# Altium PCB Yukitora.PcbDoc (part 2 of 3) (continued)
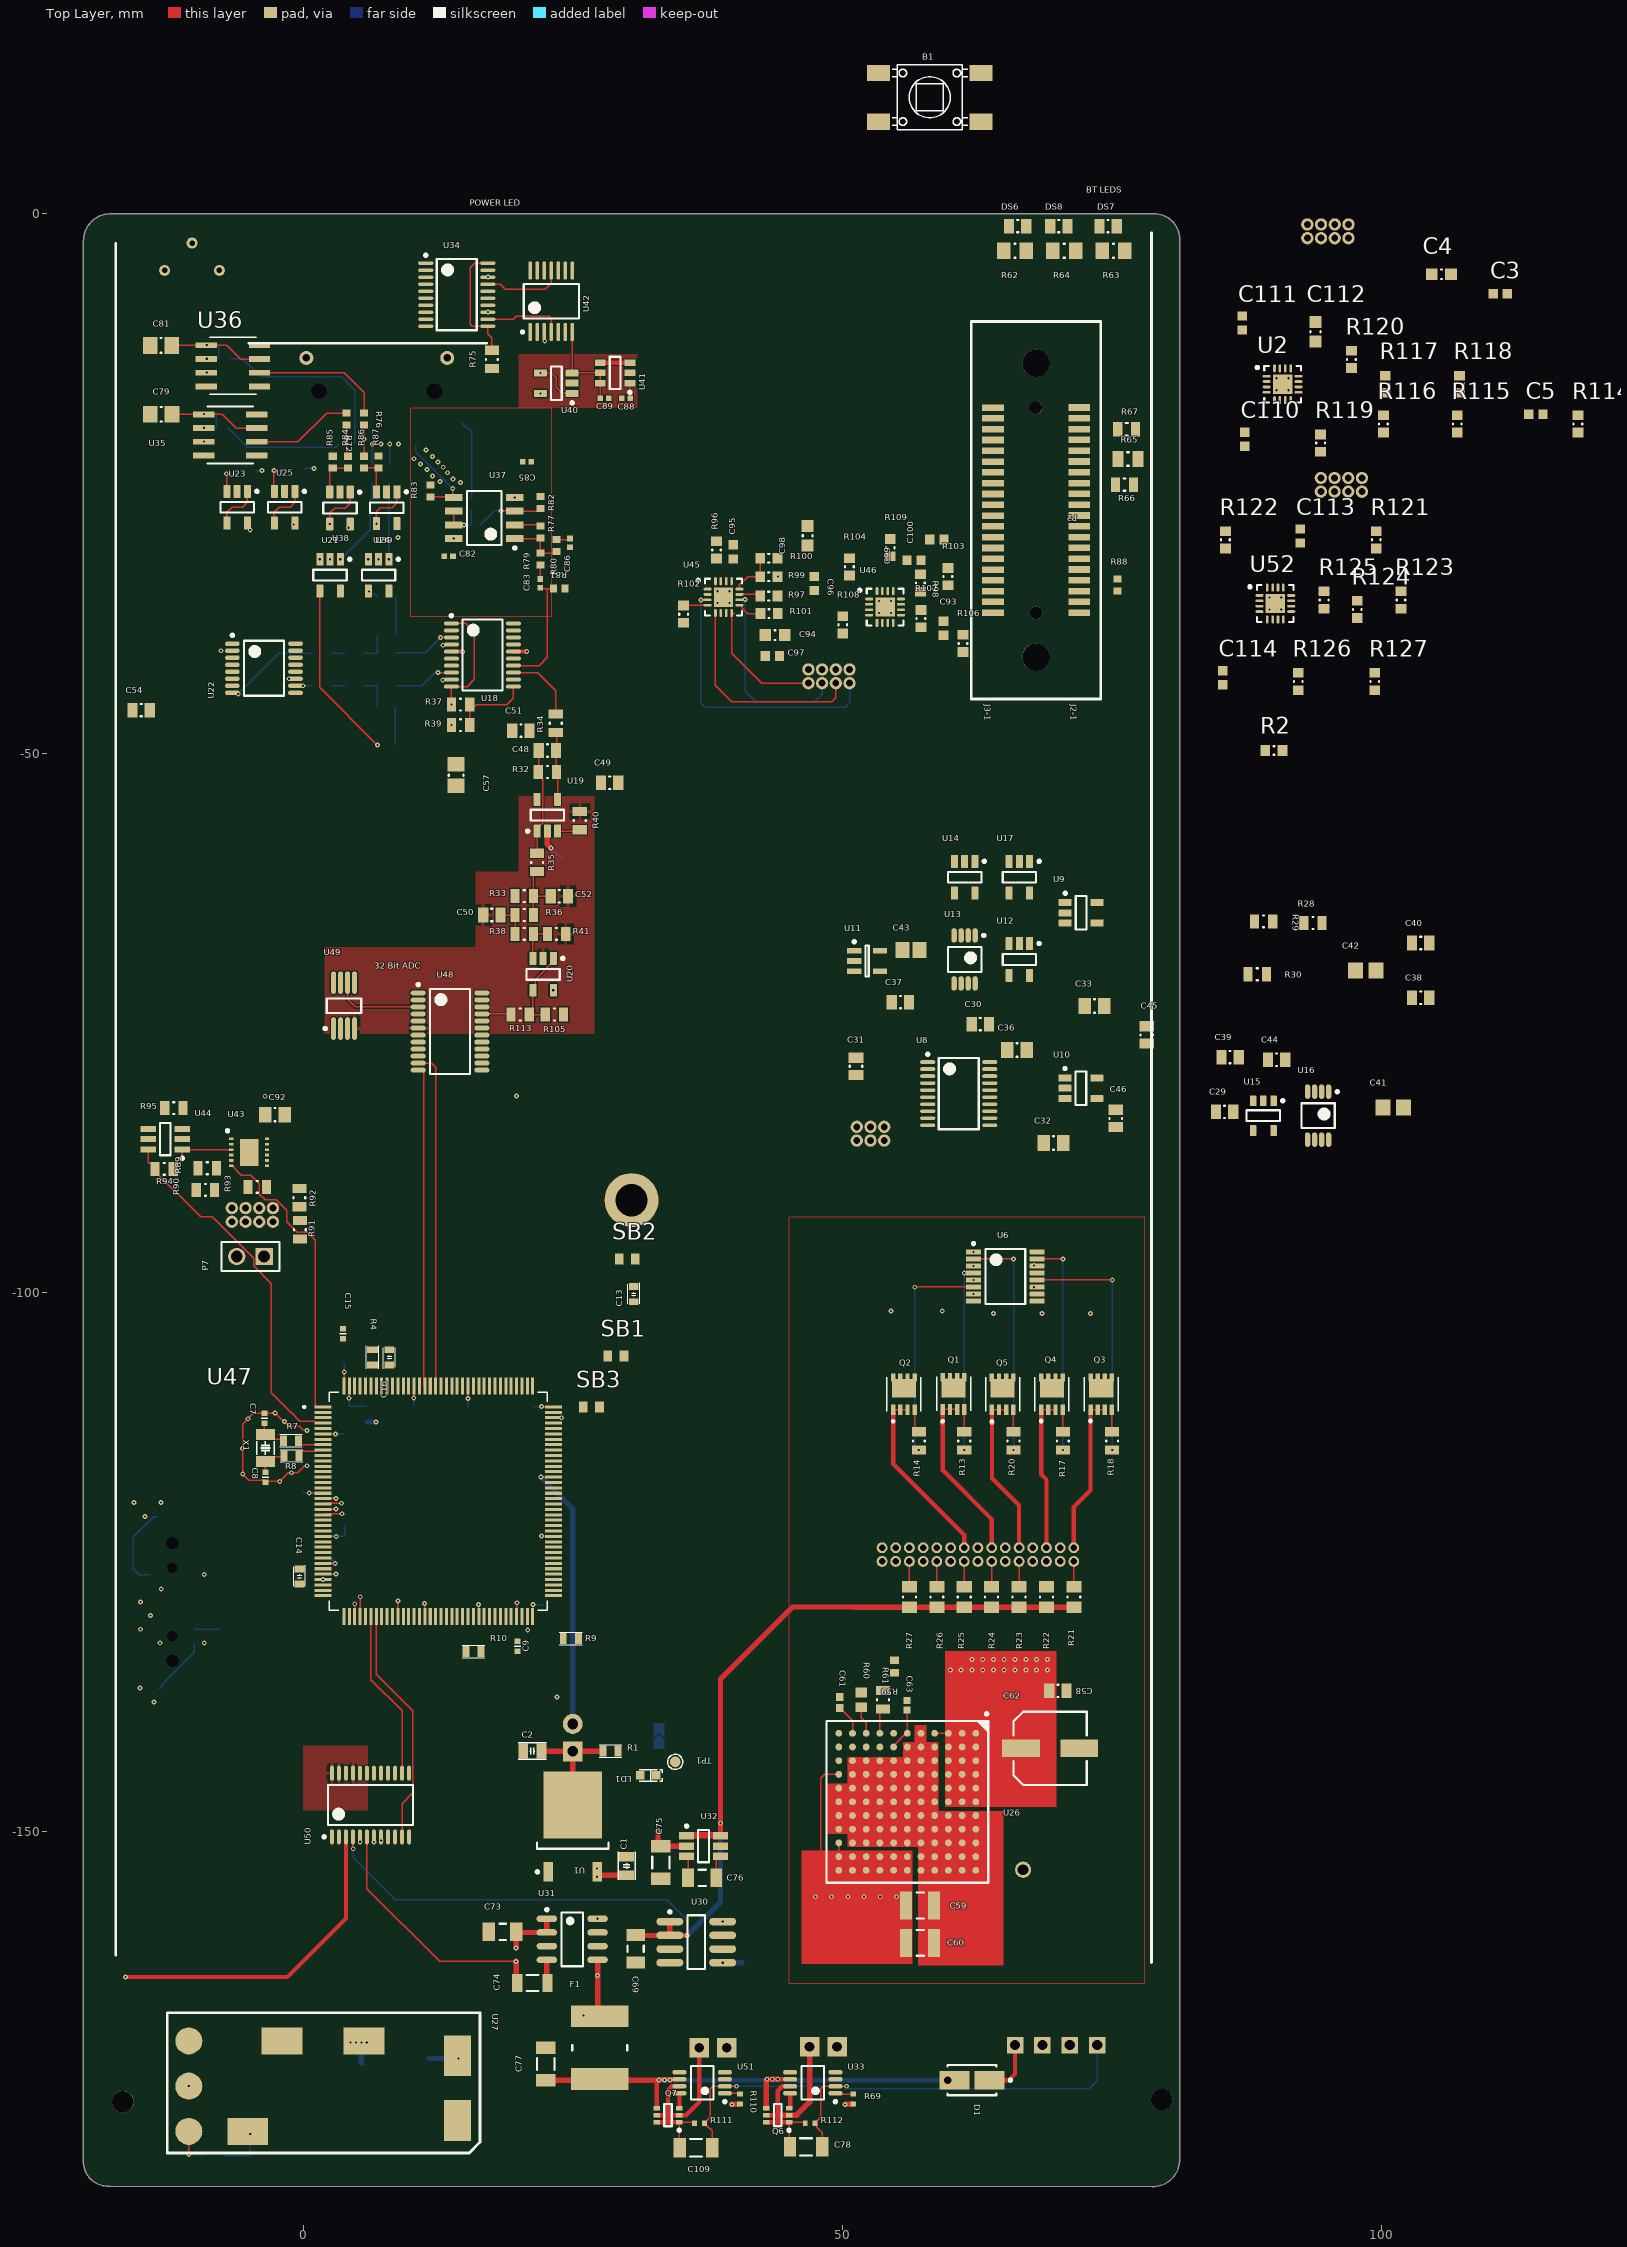
[diagram p0: Top Layer view]
## Part data (continued)
SB5: library part MCD-00071, "Solder Bridge ON", Manufacturer=YAGEO, Manufacturer_Part_Number=RC0603JR-070RL, Package=SB0603, ComponentLink1Description=Datasheet, ComponentLink1URL=http://tunmcdsvn.tun.st.com/Component_Datasheet_Library/Trunk/Resistors/Yageo_Resistor_RC0603-series, ECCN_EU=n/a, ECCN_US=n/a, Internal_Part_Number=MCD-00071, Part_Type=Mechanical, Provided_By=SUBCO, Status=Released
TP1: library part MCD-00074, "Test Point 1mm", Manufacturer=n/a, ComponentLink1Description=Datasheet, ComponentLink1URL=http://na, ECCN_EU=n/a, ECCN_US=n/a, Internal_Part_Number=MCD-00074, Manufacturer_Part_Number=n/a, Part_Type=Mechanical, Provided_By=n/a, Status=Released
TP2: library part CMP-1672-00009-1, "Test Point, Orange, 1-Pin THD, RoHS", Forward Current="3 A", Forward Voltage="1.08 V", Max Operating Temperature="150 degC", Max Surge Current="80 A", Min Operating Temperature="-65 degC", Package Quantity=500, Peak Reverse Current="600 uA", ComponentLink1Description="Manufacturer URL", ComponentLink1URL=http://www.keyelco.com/, ComponentLink2Description=Datasheet, ComponentLink2URL=http://keyelco.com/userAssets/file/M65p56.pdf, DatasheetVersion=Jun-15, Diameter="5.3 mm", Height="0.25 inch", Length="9.5 mm", Mount="Through Hole", PackageDescription="1-Pin Through Hole Device, Dia 2.54 mm", PackageReference=5003, Packaging=Bulk, Pins=2, Radiation Hardening=No, REACH SVHC="No SVHC", RoHSCompliant=true, Weight="0.01 lb", Width="0.25 inch"
U1: library part CMP-0244-00125-1, "1.5A, Low Drop Positive Voltage Regulator, 3.3V, 3-Pin DPAK, Tape and Reel", Case/Package=DPAK, Dropout Voltage=1.3V, Input Bias Current=5mA, Manufacturer=STMicroelectronics, Max Input Voltage=30V, Max Operating Temperature=125°C, Max Output Current=1.5A, Min Input Voltage=6.3V, Min Operating Temperature=-40°C, Min Output Voltage=3.3V, Output Voltage Accuracy=1%, Package Quantity=1, Quiescent Current=10mA, Supplier Part Number 1=511-LD1086DT33-TR, Accuracy=1%, ComponentLink1Description="Manufacturer URL", ComponentLink1URL=http://www.st.com, ComponentLink2Description=Datasheet, ComponentLink2URL=http://www.st.com/internet/com/TECHNICAL_RESOURCES/TECHNICAL_LITERATURE/DATASHEET/CD00001884.pdf, ComponentLink3Description=https://datasheet.ciiva.com/16593/cd00001884-16593328.pdf?src-supplier=Avnet+Europe, ComponentLink3URL=https://datasheet.ciiva.com/16593/cd00001884-16593328.pdf?src-supplier=Avnet+Europe, ComponentLink4Description=https://datasheet.ciiva.com/2043/cd00001884-2043961.pdf?src-supplier=Digi-Key, ComponentLink4URL=https://datasheet.ciiva.com/2043/cd00001884-2043961.pdf?src-supplier=Digi-Key, ComponentLink5Description=https://datasheet.ciiva.com/3225/cd00001884-3225081.pdf?src-supplier=Avnet, ComponentLink5URL=https://datasheet.ciiva.com/3225/cd00001884-3225081.pdf?src-supplier=Avnet, ComponentLink6Description=https://datasheet.ciiva.com/1511/1880971-1511549.pdf?src-supplier=Element14, ComponentLink6URL=https://datasheet.ciiva.com/1511/1880971-1511549.pdf?src-supplier=Element14, ComponentLink7Description=https://datasheet.ciiva.com/1511/1880971-1511550.pdf?src-supplier=Element14, ComponentLink7URL=https://datasheet.ciiva.com/1511/1880971-1511550.pdf?src-supplier=Element14, ComponentLink8Description=https://datasheet.ciiva.com/2043/cd00001884-2043960.pdf?src-supplier=Digi-Key, ComponentLink8URL=https://datasheet.ciiva.com/2043/cd00001884-2043960.pdf?src-supplier=Digi-Key, ComponentLink9Description=https://datasheet.ciiva.com/2043/cd00001884-2043962.pdf?src-supplier=Digi-Key, ComponentLink9URL=https://datasheet.ciiva.com/2043/cd00001884-2043962.pdf?src-supplier=Digi-Key, ComponentLink10Description=https://datasheet.ciiva.com/16496/cd00001884-16496030.pdf?src-supplier=Future+Electronics, ComponentLink10URL=https://datasheet.ciiva.com/16496/cd00001884-16496030.pdf?src-supplier=Future+Electronics, DatasheetVersion=11/07/2011, Height=2.4mm, Lead Free="Lead Free", Length=6.6mm, Manufacturer Part Number=LD1086DT33TR, Mount="Surface Mount", Nominal Output Voltage=3.3V, Number of Outputs=1, Number of Pins=3, Number of Regulators=1, Output Current=1.5A, Output Type=Fixed, Output Voltage=3.3V, PackageDescription="3-Pin Transistor Outline Package 2.28 mm Pitch, 9.7 mm Lead Span (DPAK)", PackageReference=TO-252, PackageVersion=2011, Packaging="Tape and Reel", Polarity=Positive, Pricing 1="1=0.97000, 10=0.83500, 50=0.83500, 100=0.64100, 1000=0.44700, 10000=0.38200 (USD)", Radiation Hardening=No, REACH SVHC="No SVHC", RoHS=Yes, Stock 1=11431, Supplier 1=Mouser, Weight=0.01lb, Width=6.2mm
U3 U4: library part MCD-00136, "Dual Transil array for ESD protection", Manufacturer=STMICROELECTRONICS, BMS_Part_Number=9151112, ComponentLink1Description=Datasheet, ComponentLink1URL=http://tunmcdsvn.tun.st.com/Component_Datasheet_Library/Trunk/Diodes/STM_ESD_ESDALC6V1W5, ECCN_EU=NEC, ECCN_US=EAR99, Internal_Part_Number=MCD-00136, Manufacturer_Part_Number=ESDALC6V1W5, Part_Type=Diode, Provided_By="SUBCO with ST control", Status=Released
U5: library part MCD-00170, "ESD protection 6V1", Manufacturer=STMICROELECTRONICS, Manufacturer_Part_Number=ESDALC6V1-1U2, BMS_Part_Number=9151132, ComponentLink1Description=Datasheet, ComponentLink1URL=http://tunmcdsvn.tun.st.com/Component_Datasheet_Library/Trunk/Diodes/STM_ESD_ESDALC6V1-1U2, ECCN_EU=NEC, ECCN_US=EAR99, Internal_Part_Number=MCD-00170, Part_Type=Diode, Provided_By="SUBCO with ST control", Status=Released
U6: library part CMP-0440-01131-3, "High Speed CMOS Logic Hex Non-Inverting Buffers, PW0016A, LARGE T&R", Case/Package=TSSOP, F @ Nom Voltage(Max)(Mhz)=28, Generic Part Number=CD74HC4050, High Level Output Current=-5.2mA, ICC @ Nom Voltage(Max)(mA)=0.02, Low Level Output Current=5.2mA, Manufacturer="Texas Instruments", Max Operating Temperature=125°C, Max Supply Voltage=6V, Min Operating Temperature=-55°C, Min Supply Voltage=2V, Operating Temperature Range(C)="-55 to 125", Package Quantity=2000, Quiescent Current=2uA, Rating=Catalog, Supplier Part Number 1=296-9215-1-ND, tpd @ Nom Voltage(Max)(ns)=18, Voltage(Nom)(V)=6, Bits(#)=6, Code_JEDEC=MO-153, ComponentLink1Description=https://datasheet.ciiva.com/46415/1847357-46415243.pdf?src-supplier=Element14, ComponentLink1URL=https://datasheet.ciiva.com/46415/1847357-46415243.pdf?src-supplier=Element14, ComponentLink2Description=https://datasheet.ciiva.com/26248/cd74hc4049-26248317.pdf?src-supplier=Avnet+Europe, ComponentLink2URL=https://datasheet.ciiva.com/26248/cd74hc4049-26248317.pdf?src-supplier=Avnet+Europe, ComponentLink3Description=https://datasheet.ciiva.com/1834/cd74hc4049-1834062.pdf?src-supplier=Digi-Key, ComponentLink3URL=https://datasheet.ciiva.com/1834/cd74hc4049-1834062.pdf?src-supplier=Digi-Key, ComponentLink4Description=https://datasheet.ciiva.com/1834/cd74hc4049-1834063.pdf?src-supplier=Digi-Key, ComponentLink4URL=https://datasheet.ciiva.com/1834/cd74hc4049-1834063.pdf?src-supplier=Digi-Key, ComponentLink5Description=https://datasheet.ciiva.com/14302/schs205i-14302309.pdf?src-supplier=Avnet, ComponentLink5URL=https://datasheet.ciiva.com/14302/schs205i-14302309.pdf?src-supplier=Avnet, ComponentLink6Description=https://datasheet.ciiva.com/1834/cd74hc4049-1834061.pdf?src-supplier=Digi-Key, ComponentLink6URL=https://datasheet.ciiva.com/1834/cd74hc4049-1834061.pdf?src-supplier=Digi-Key, ComponentLink7Description=https://datasheet.ciiva.com/41455/001015781-da-01-en-ic-buffer-hex-cd74hc4050pwr-tssop-16-tid-41455717.pdf?src-supplier=Conrad, ComponentLink7URL=https://datasheet.ciiva.com/41455/001015781-da-01-en-ic-buffer-hex-cd74hc4050pwr-tssop-16-tid-41455717.pdf?src-supplier=Conrad, Contact Plating=Gold, DatasheetVersion=SCHS205I, Height=1.15mm, Input Type=CMOS, Lead Free="Lead Free", Length=5mm, Logic Function=Buffer, Manufacturer Part Number=CD74HC4050PWR, Mount="Surface Mount", Number of Bits=6, Number of Bits per Element=1, Number of Channels=6, Number of Elements=6, Number of Input Lines=6, Number of Inputs=6, Number of Output Lines=6, Number of Outputs=6, Number of Pins=16, Output Type=CMOS, PackageReference=PW0016A, PackageVersion=http://www.ti.com/lit/ml/mpds361/mpds361.pdf, Packaging="Tape and Reel", Polarity=Non-Inverting, Pricing 1="1=0.45000, 10=0.38600, 100=0.28840, 500=0.22660, 1000=0.17510 (USD)", Propagation Delay=14ns, Radiation Hardening=No, REACH SVHC="No SVHC", RoHS=Yes, Stock 1=16059, Supplier 1=Digi-Key, Turn-On Delay Time=14ns, VCC(Max)(V)=6, VCC(Min)(V)=2, Width=4.4mm
U8 U18 U34: "IC SWITCH QUAD SPDT 20TSSOP", Case/Package=TSSOP, Dual Supply Voltage=15V, Manufacturer=Maxim, Manufacturer Part Number=MAX333AEUP+, Max Dual Supply Voltage=20V, Max Operating Temperature=85°C, Max Power Dissipation=559mW, Max Supply Current=250uA, Max Supply Voltage=30V, Min Dual Supply Voltage=4.5V, Min Operating Temperature=-40°C, Min Supply Voltage=10V, On-State Resistance=35R, Operating Supply Current=1uA, Package Quantity=74, Supplier Part Number 1=700-MAX333AEUP, ComponentLink1Description=https://datasheet.ciiva.com/2978/max333a-2978850.pdf, ComponentLink1URL=https://datasheet.ciiva.com/2978/max333a-2978850.pdf, ComponentLink2Description=https://datasheet.ciiva.com/30478/0900766b81253c85-30478260.pdf, ComponentLink2URL=https://datasheet.ciiva.com/30478/0900766b81253c85-30478260.pdf, ComponentLink3Description=https://datasheet.ciiva.com/1674/max333a-1674617.pdf, ComponentLink3URL=https://datasheet.ciiva.com/1674/max333a-1674617.pdf, ComponentLink4Description=https://datasheet.ciiva.com/26825/max333aeup-26825546.pdf, ComponentLink4URL=https://datasheet.ciiva.com/26825/max333aeup-26825546.pdf, Height=0.95mm, Lead Free="Lead Free", Length=6.6mm, Number of Bits=4, Number of Channels=4, Number of Pins=20, Packaging=Rail/Tube, Pricing 1="1=6.77, 10=6.43, 50=5.8, 100=5.8, 1000=5.62, 10000=5.62 (USD)", Radiation Hardening=No, REACH SVHC=Unknown, Stock 1=664, Supplier 1=Mouser, Supply Type=Single,Dual, Throw Configuration=SPDT, Turn-Off Delay Time=145ns, Turn-On Delay Time=175ns, Weight=0.006737oz, Width=4.5mm
U9 U10 U14 U17 U19 U20 U21 U23 U24 U25 U38 U39: library part CMP-0809-00005-2, "Precision, Low Noise, Rail-to-Rail Output, Zero-Drift Operational Amplifier, 4 to 36 V, -40 to 125 degC, 5-pin SOT23 (DBV5), Green (RoHS & no Sb/Br)", Manufacturer="Texas Instruments", Rating=Catalog, Total Supply Voltage(Max)(+5V is 5, +/-5V is 10)=36, Total Supply Voltage(Min)(+5V is 5, +/-5V is 10)=4, CMRR(Min)(dB)=120, Code_JEDEC=MO-178, ComponentLink1Description="Manufacturer URL", ComponentLink1URL=http://www.ti.com/, ComponentLink2Description=Datasheet, ComponentLink2URL=http://www.ti.com/lit/ds/symlink/opa188.pdf, ComponentLink3Description="Package Specification", ComponentLink3URL=http://www.ti.com/litv/pdf/mpds018i, DatasheetVersion=SBOS642A, Eco-Plan="Green (RoHS & no Sb/Br)", GBW(Typ)(MHz)=2, Iq per channel(Max)(mA)=0.51, Mounting Technology="Surface Mount", Number of Channels=1, Offset Drift(Typ)(uV/C)=0.03, PackageDescription="5-Pin Plastic Small Outline, Body 1.6 x 2.9 mm, Pitch 0.95 mm", PackageReference=DBV0005A, PackageVersion="4073253-4/K, 03/2006", PartNumber=OPA188AIDBVR, Slew Rate(Typ)(V/us)=0.8, SubFamily="Zero Drift Precision Amplifier"
U11: library part CMP-1567-00007-1, "Micropower, 400 mV Reference with Rail-to-Rail Buffer Amplifier, 1.4 to 18 V, 0 to 70 degC, 5-Pin SOT-23 (S5), RoHS, Tape and Reel", Case/Package=SOT-23-5, Manufacturer="Analog Devices / Linear Technology", Max Input Voltage=18V, Max Operating Temperature=70°C, Min Input Voltage=1.4V, Min Operating Temperature=0°C, Output Current=200uA, Output Voltage=400mV, Package Quantity=1, Quiescent Current=15uA, Supplier Part Number 1=LT6650CS5#TRMPBFCT-ND, Temperature Coefficient=30ppm/°C, Temperature Max="70 degC", Temperature Min="0 degC", Tolerance=0.75%, Code_JEDEC=MO-193, ComponentLink1Description="Manufacturer URL", ComponentLink1URL=http://www.linear.com/, ComponentLink2Description=Datasheet, ComponentLink2URL=http://cds.linear.com/docs/en/datasheet/6650fa.pdf, ComponentLink3Description="Package Specification", ComponentLink3URL=http://cds.linear.com/docs/en/packaging/SOT_5_05-08-1635.pdf, ComponentLink4Description=https://datasheet.ciiva.com/6594/1196-6594366.pdf?src-supplier=Digi-Key, ComponentLink4URL=https://datasheet.ciiva.com/6594/1196-6594366.pdf?src-supplier=Digi-Key, ComponentLink5Description=https://datasheet.ciiva.com/48694/001256472-da-01-en-ic-vref-s-lt6650cs5-trmpbf-tsot-23-5-ltc-48694695.pdf?src-supplier=Conrad, ComponentLink5URL=https://datasheet.ciiva.com/48694/001256472-da-01-en-ic-vref-s-lt6650cs5-trmpbf-tsot-23-5-ltc-48694695.pdf?src-supplier=Conrad, Height=0.9mm, Lead Free="Lead Free", Length=2.9mm, Manufacturer Part Number=LT6650CS5#TRMPBF, Mounting Technology="Surface Mount", Number of Channels=1, Number of Pins=5, PackageDescription="5-Pin Plastic Thin Small Out-Line Transistor, Body 1.63 x 2.90 mm, Pitch 0.95 mm", PackageVersion="Rev. B, 06/2010", Packaging="Tape and Reel", Packing="Tape and Reel", PartNumber=LT6650CS5#TRMPBF, Pricing 1="1=3.18000, 25=2.11040, 100=1.74480, 250=1.65756 (USD)", Reference Type=Series, RoHS=TRUE, Stock 1=3771, Supplier 1=Digi-Key, VIN Max="18 V", VIN Min="1.4 V", Width=1.75mm
U12: library part CMP-0062-01907-3, "Micropower, 150mA Low-Noise Ultra Low-Dropout CMOS Voltage Regulator, 5-pin SOT-23, Pb-Free", Case/Package=SOT-23, Current Rating=150A, Dropout Voltage=60mV, Manufacturer="Texas Instruments", Max Input Voltage=6V, Max Operating Temperature=125°C, Max Output Current=150mA, Max Output Voltage=2.5V, Max Power Dissipation=250mW, Min Operating Temperature=-40°C, Output Voltage Accuracy=2%, PackageTopMarking=LCSB*XTT, PowerWise=N, Quiescent Current=150uA, Supplier Part Number 1=LP3985IM5-2.5/NOPBCT-ND, Accuracy=2%, ComponentLink1Description="Datasheet URL", ComponentLink1URL=http://www.ti.com/general/docs/lit/getliterature.tsp?genericPartNumber=LP3985&fileType=pdf, ComponentLink2Description=https://datasheet.ciiva.com/46441/10171-46441111.pdf?src-supplier=Element14, ComponentLink2URL=https://datasheet.ciiva.com/46441/10171-46441111.pdf?src-supplier=Element14, ComponentLink3Description=https://datasheet.ciiva.com/49047/1882660-49047100.pdf?src-supplier=Element14, ComponentLink3URL=https://datasheet.ciiva.com/49047/1882660-49047100.pdf?src-supplier=Element14, ComponentLink4Description=https://datasheet.ciiva.com/46383/1882660-46383391.pdf?src-supplier=Element14, ComponentLink4URL=https://datasheet.ciiva.com/46383/1882660-46383391.pdf?src-supplier=Element14, CompType="LDO IC", Contact Plating=Tin, Height=1.02mm, Lead Free="Lead Free", Length=2.92mm, Manufacturer Part Number=LP3985IM5-2.5/NOPB, Max Supply Voltage=6V, Min Input Voltage=2.5V, Min Supply Voltage=2.5V, Mount="Surface Mount", Nominal Output Voltage=2.5V, Number of Outputs=1, Number of Pins=5, Output Current=150mA, Output Type=Fixed, Output Voltage=2.5V, PackageDescription="Molded SOT-23, .115 x .063 x .040 in Body, 5 Lead, .0375 in Pitch", PackageReference=DBV0005A, Packaging="Tape and Reel", PinCount=5, Polarity=Positive, Power Dissipation=250mW, Pricing 1="1=0.66000, 10=0.57800, 100=0.44300, 500=0.35020 (USD)", REACH SVHC="No SVHC", RoHS=Y, Stock 1=16680, Supplier 1=Digi-Key, Termination=SMD/SMT, Width=1.6mm
U13 U16: "IC CONVERTER RMS-DC PREC 9MSOP"
U15: library part CMP-0394-00292-2, "Single Output High PSRR LDO, 200 mA, Fixed -2.5 V Output, -10 to -2.7 V Input, 5-pin SOT-23 (DBV), -40 to 125 degC, Green (RoHS & no Sb/Br)", Case/Package=SOT-23, Dropout Voltage=280mV, Input Bias Current=130uA, Manufacturer="Texas Instruments", Max Input Voltage=-2.7V, Max Operating Temperature=125°C, Max Output Current=200mA, Max Output Voltage=-2.5V, Max Power Dissipation=560mW, Min Current Limit=300mA, Min Input Voltage=-10V, Min Operating Temperature=-40°C, Output Voltage Accuracy=1%, Package Quantity=3000, Supplier Part Number 1=296-39479-1-ND, Accuracy=2%, Accuracy(%)=2, Code_JEDEC=MO-178, ComponentLink1Description="Manufacturer URL", ComponentLink1URL=http://www.ti.com/, ComponentLink2Description=Datasheet, ComponentLink2URL=http://www.ti.com/general/docs/lit/getliterature.tsp?genericPartNumber=TPS72325&fileType=pdf, ComponentLink3Description="Package Specification", ComponentLink3URL=http://www.ti.com/litv/pdf/mpds018i, ComponentLink4Description=http://www.mouser.com/ds/2/405/slvs346c-521947.pdf?src-supplier=Mouser, ComponentLink4URL=http://www.mouser.com/ds/2/405/slvs346c-521947.pdf?src-supplier=Mouser, ComponentLink5Description=http://components.arrow.com/part/dataview/0323_00141856?src-supplier=Arrow+Europe, ComponentLink5URL=http://components.arrow.com/part/dataview/0323_00141856?src-supplier=Arrow+Europe, ComponentLink6Description=http://www.ti.com/general/docs/lit/getliterature.tsp?genericPartNumber=TPS723&amp;&amp;fileType=pdf&src-supplier=Newark, ComponentLink6URL=http://www.ti.com/general/docs/lit/getliterature.tsp?genericPartNumber=TPS723&amp;&amp;fileType=pdf&src-supplier=Newark, ComponentLink7Description=http://focus.ti.com/lit/ds/symlink/tps72325.pdf?src-supplier=Avnet+Europe, ComponentLink7URL=http://focus.ti.com/lit/ds/symlink/tps72325.pdf?src-supplier=Avnet+Europe, ComponentLink8Description=http://www.ti.com/general/docs/lit/getliterature.tsp?genericPartNumber=TPS723&amp;&amp;fileType=pdf&src-supplier=Farnell, ComponentLink8URL=http://www.ti.com/general/docs/lit/getliterature.tsp?genericPartNumber=TPS723&amp;&amp;fileType=pdf&src-supplier=Farnell, ComponentLink9Description=http://www.ti.com/general/docs/lit/getliterature.tsp?genericPartNumber=TPS723&&fileType=pdf&src-supplier=Avnet+Asia, ComponentLink9URL=http://www.ti.com/general/docs/lit/getliterature.tsp?genericPartNumber=TPS723&&fileType=pdf&src-supplier=Avnet+Asia, ComponentLink10Description=http://www.ti.com/general/docs/lit/getliterature.tsp?genericPartNumber=TPS723&&fileType=pdf&src-supplier=Avnet, ComponentLink10URL=http://www.ti.com/general/docs/lit/getliterature.tsp?genericPartNumber=TPS723&&fileType=pdf&src-supplier=Avnet, ComponentLink11Description=http://components.arrow.com/part/dataview/40177093S9611537N7713?src-supplier=Arrow, ComponentLink11URL=http://components.arrow.com/part/dataview/40177093S9611537N7713?src-supplier=Arrow, ComponentLink12Description=http://www.ti.com/lit/ds/symlink/tps723.pdf?src-supplier=Digi-Key, ComponentLink12URL=http://www.ti.com/lit/ds/symlink/tps723.pdf?src-supplier=Digi-Key, ComponentLink13Description=http://www.ti.com/general/docs/lit/getliterature.tsp?genericPartNumber=TPS723&&fileType=pdf&src-supplier=Element14, ComponentLink13URL=http://www.ti.com/general/docs/lit/getliterature.tsp?genericPartNumber=TPS723&&fileType=pdf&src-supplier=Element14, ComponentLink14Description=http://www.ti.com/lit/ds/symlink/tps72301.pdf?src-supplier=Digi-Key, ComponentLink14URL=http://www.ti.com/lit/ds/symlink/tps72301.pdf?src-supplier=Digi-Key, Contact Plating=Tin, DatasheetVersion=SLVS346B, Eco-Plan="Green (RoHS & no Sb/Br)", Fixed Output Options(V)=-2.5, Iout(Max)(A)=0.2, Iq(Typ)(mA)=0.13, Lead Free="Lead Free", Manufacturer Part Number=TPS72325DBVR, Min Output Voltage=-2.5V, Mounting Technology="Surface Mount", Nominal Output Voltage=-2.5V, Number of Outputs=1, Number of Pins=5, Number of Regulators=1, Output Current=200mA, Output Type=Fixed, Output Voltage=-2.5V, PackageDescription="5-Pin Plastic Small Outline, Body 1.60 Ã— 2.90 mm, Pitch 0.95 mm", PackageReference=DBV0005A, PackageVersion=4073253-4/K, Packaging="Tape and Reel", PartNumber=TPS72325DBVR, Polarity=Negative, Power Dissipation=560mW, Pricing 1="1=2.81000, 10=2.52200, 100=2.02720, 500=1.66552, 1000=1.37999 (USD)", Quiescent Current=130uA, Radiation Hardening=No, REACH SVHC="No SVHC", RoHS=Yes, Stock 1=6951, SubFamily="Single Channel LDO", Supplier 1=Digi-Key, Vdo(Typ)(mV)=280, Vin(Max)(V)=-2.7, Vin(Min)(V)=-10, Vout Adj(Max)(V)=-2.5, Vout Adj(Min)(V)=-2.5
U26: library part CMP-2000-06615-1, "Buck-Boost uModule Regulator, 8.5 A, 5 to 36 V, -40 to 125 degC, 121-Ball BGA, RoHS, Tray", Current - Output (Max)=8.5A, Manufacturer=LinearTechnology, Operating Temperature=-40°C~125°C, Package / Case=121-BGA, Package Description="121-Ball BGA, Body 15 x 15 mm, Pitch 1.27 mm", Package Reference=BGA-121, Package Version="Rev. A, 11/2012", Power (Watts) - Manufacture Series=-, Supplier Part Number 1=LTM8055IY#PBF-ND, Voltage - Input (Max)=36V, Voltage - Input (Min)=5V, Voltage - Output 1=1.2~36V, Applications=ITE(Commercial), Category=PowerSupplies-BoardMount, Datasheet URL=http://cds.linear.com/docs/en/datasheet/8055fa.pdf, Datasheet Version="Rev. A, 01/2016", Efficiency=97.5%, Family=DCDCConverters, Features=OTP, Manufacturer URL=http://www.linear.com/, Mounting Technology=SurfaceMount, Mounting Type=SurfaceMount, Number of Outputs=1, Package URL=http://www.linear.com/docs/41075, Packaging=Tray, PartId=1, Power (Watts) - Max=-, Series=µModule®, Supplier 1=Digi-Key, Type=Non-IsolatedPoLModule, Voltage - Isolation=-, Voltage - Output 2=-, Voltage - Output 3=-
U27: "Non-Isolated PoL Module DC DC Converter 1 Output 32 ~ 54V 2A 9.6V - 14.4V Input"
U30: library part CMP-0476-01685-1, "500 mA, Low Noise, LDO Micropower Regulator, 1.8 to 20 V Vin, 5 V Vout, 8-pin SOIC (S8-8), -40 to 125 degC, Pb-Free", Dropout Voltage(V)=0.3, Manufacturer="Linear Technology", Output Voltage="5 V", Shutdown Current(uA)=1, ComponentLink1Description="Manufacturer URL", ComponentLink1URL=http://www.linear.com/, ComponentLink2Description=Datasheet, ComponentLink2URL=http://cds.linear.com/docs/en/datasheet/1763fg.pdf, ComponentLink3Description="Package Specification", ComponentLink3URL=http://cds.linear.com/docs/en/packaging/05081610_G_SO8.pdf, DatasheetVersion="Rev. G", Discrete Pass Element=no, Iout(mA)=500, Isupply(mA)=0.03, Mounting Technology="Surface Mount", Noise(uV)=20, Number of Outputs=1, PackageDescription="8-Pin Plastic Small Outline (Narrow .150 Inch), Body 4.9 x 3.9 mm, Pitch 1.27 mm", PackageReference=S8-8, PackageVersion="Rev. G, 03/2012", PartNumber=LT1763CS8-5#PBF, PSRR(dB)=65, RoHS=TRUE, Vin Max(V)=20, Vin Min(V)=1.8
U31: library part CMP-0476-01667-1, "500 mA, Low Noise, LDO Micropower Regulator, 1.8 to 20 V Vin, 3 V Vout, 8-pin SOIC (S8-8), -40 to 125 degC", Dropout Voltage(V)=0.3, Manufacturer="Linear Technology", Output Voltage="3 V", Shutdown Current(uA)=1, ComponentLink1Description="Manufacturer URL", ComponentLink1URL=http://www.linear.com/, ComponentLink2Description=Datasheet, ComponentLink2URL=http://cds.linear.com/docs/en/datasheet/1763fg.pdf, ComponentLink3Description="Package Specification", ComponentLink3URL=http://cds.linear.com/docs/en/packaging/05081610_G_SO8.pdf, DatasheetVersion="Rev. G", Discrete Pass Element=no, Iout(mA)=500, Isupply(mA)=0.03, Mounting Technology="Surface Mount", Noise(uV)=20, Number of Outputs=1, PackageDescription="8-Pin Plastic Small Outline (Narrow .150 Inch), Body 4.9 x 3.9 mm, Pitch 1.27 mm", PackageReference=S8-8, PackageVersion="Rev. G, 03/2012", PartNumber=LT1763CS8-3, PSRR(dB)=65, RoHS=FALSE, Vin Max(V)=20, Vin Min(V)=1.8
U32: "Charge Pump Switching Regulator IC Negative Fixed -5V 1 Output 100mA SOT-23-6 Thin, TSOT-23-6", Base Part Number=LTC1983-5, Current - Output=100mA, Frequency - Switching=900kHz, Manufacturer="Linear Technology/Analog Devices", Operating Temperature="-40°C ~ 85°C (TA)", Package / Case="SOT-23-6 Thin, TSOT-23-6", Supplier Device Package=TSOT-23-6, Supplier Part Number 1=LTC1983ES6-5#TRMPBFCT-ND, Voltage - Input (Max)=5.5V, Voltage - Input (Min)=2.3V, Voltage - Output (Max)=-, Voltage - Output (Min/Fixed)=-5V, Category="Integrated Circuits (ICs)", ComponentLink1Description=http://www.linear.com/docs/2135, ComponentLink1URL=http://www.linear.com/docs/2135, Function=Step-Down, Manufacturer Part Number=LTC1983ES6-5#TRMPBF, Mounting Type="Surface Mount", Number of Outputs=1, Output Configuration=Negative, Output Type=Fixed, Packaging="Cut Tape (CT)", Part Status=Active, Pricing 1="1=4.36, 25=3.8952, 100=2.3256, 250=2.1318 (USD)", RoHS="RoHS Compliant", Stock 1=17516, Supplier 1=Digi-Key, Synchronous Rectifier=No, Topology="Charge Pump"
U33 U51: library part CMP-0479-00214-1, "Low Loss PowerPath Controller for Large PFET, 3 to 36 V Vin, 8-pin SOP (MS8-8), -40 to 85 degC, Pb-Free, Tape and Reel", Manufacturer="Linear Technology", ComponentLink1Description="Manufacturer URL", ComponentLink1URL=http://www.linear.com/, ComponentLink2Description=Datasheet, ComponentLink2URL=http://cds.linear.com/docs/en/datasheet/4414fc.pdf, ComponentLink3Description="Package Specification", ComponentLink3URL=http://cds.linear.com/docs/en/packaging/05081660_G_MS8.pdf, DatasheetVersion="Rev. C", Ideal Diode="Single, External, P-Channel", Mounting Technology="Surface Mount", PackageDescription="8-Pin Plastic MSOP, Body 3 x 3 mm, Pitch 0.65 mm", PackageReference=MS8-8, PackageVersion="Rev. G, 03/2012", Packing="Tape and Reel", PartNumber=LTC4414EMS8#TRPBF, RoHS=TRUE
U35 U36: "LTC2057/LTC2057HV - High Voltage, Low Noise Zero-Drift Operational Amplifier", Case/Package=SOIC, Input Bias Current=30pA, Input Offset Voltage (Vos)=0.5uV, Manufacturer="Analog Devices / Linear Technology", Manufacturer Part Number=LTC2057HVIS8#PBF, Max Operating Temperature=85°C, Max Supply Voltage=60V, Min Operating Temperature=-40°C, Min Supply Voltage=4.75V, Operating Supply Current=900uA, Output Current per Channel=30mA, Package="SO-8 Linear Technology", Package Quantity=100, Supplier Part Number 1=584-LTC2057HVIS8#PBF, Voltage Gain=150dB, Bandwidth=1.5MHz, Common Mode Rejection Ratio=128dB, ComponentLink1Description=https://datasheet.ciiva.com/18622/43236-18622326.pdf?src-supplier=Digi-Key, ComponentLink1URL=https://datasheet.ciiva.com/18622/43236-18622326.pdf?src-supplier=Digi-Key, ComponentLink2Description=https://datasheet.ciiva.com/22733/1761439-22733480.pdf?src-supplier=Element14, ComponentLink2URL=https://datasheet.ciiva.com/22733/1761439-22733480.pdf?src-supplier=Element14, ComponentLink3Description=https://datasheet.ciiva.com/25651/1761439-25651631.pdf?src-supplier=Farnell, ComponentLink3URL=https://datasheet.ciiva.com/25651/1761439-25651631.pdf?src-supplier=Farnell, Digi-Key_Part_Number=LTC2057HVIS8#PBF-ND, Digi-Key_Purchase_URL=https://www.digikey.com/product-detail/en/linear-technology-analog-devices/LTC2057HVIS8-PBF/LTC2057HVIS8-PBF-ND/4156547?utm_source=snapeda&utm_medium=aggregator&utm_campaign=symbol, Gain Bandwidth Product=1.5MHz, MF="Linear Technology/Analog", Mount="Surface Mount", MP=LTC2057HVIS8#PBF, Number of Amplifiers=1, Number of Channels=1, Number of Circuits=1, Number of Elements=1, Number of Pins=8, Packaging=Rail/Tube, Pricing 1="1=5.30000, 10=5.30000, 25=3.51000, 50=3.51000, 100=2.90000, 250=2.76000, 500=2.70000, 1000=2.59000, 10000=2.59000 (USD)", REACH SVHC="No SVHC", RoHS=Yes, Slew Rate=0.45V/µs, SnapEDA_Link=https://www.snapeda.com/parts/LTC2057HVIS8%23PBF/Analog%20Devices/view-part/?ref=snap, Stock 1=880, Supplier 1=Mouser, Unity Gain Bandwidth Product=1.5MHz
U37: library part CMP-0055-00893-3, "CMOS Dual Operational Amplifier, 8-pin Narrow SOIC", Manufacturer="Texas Instruments", Package Reference=D0008A, PackageTopMarking=NSZXTT*LMC66*2CM, PowerWise=N, Code_IPC=SOIC127P600-8, Code_JEDEC=MS-012-AA, ComponentLink1Description="Datasheet URL", ComponentLink1URL=http://www.ti.com/general/docs/lit/getliterature.tsp?genericPartNumber=LMC662&fileType=pdf, CompType=Amplifiers, PackageDescription="SOIC Narrow, 4.9 x 3.9 x 1.45mm, 8 Lead, 1.27mm Pitch", PartId=1, PinCount=8, RoHS=N
U40: library part CMP-0809-00005-2, "Precision, Low Noise, Rail-to-Rail Output, Zero-Drift Operational Amplifier, 4 to 36 V, -40 to 125 degC, 5-pin SOT23 (DBV5), Green (RoHS & no Sb/Br)", Case/Package=SOT-23-5, Input Bias Current=160pA, Input Offset Voltage (Vos)=6uV, Input Voltage Noise Density="8.8nV/sqrt Hz", Manufacturer="Texas Instruments", Max Dual Supply Voltage=18V, Max Operating Temperature=125°C, Max Supply Voltage=36V, Min Dual Supply Voltage=2V, Min Operating Temperature=-40°C, Min Supply Voltage=4V, Nominal Supply Current=510uA, Operating Supply Current=450uA, Output Current per Channel=18mA, Package Quantity=3000, Power Supply Rejection Ratio (PSRR)=142dB, Rating=Catalog, Total Supply Voltage(Max)(+5V is 5, +/-5V is 10)=36, Total Supply Voltage(Min)(+5V is 5, +/-5V is 10)=4, Voltage Gain=136dB, CMRR(Min)(dB)=120, Code_JEDEC=MO-178, Common Mode Rejection Ratio=120dB, ComponentLink1Description="Manufacturer URL", ComponentLink1URL=http://www.ti.com/, ComponentLink2Description=Datasheet, ComponentLink2URL=http://www.ti.com/lit/ds/symlink/opa188.pdf, ComponentLink3Description="Package Specification", ComponentLink3URL=http://www.ti.com/litv/pdf/mpds018i, ComponentLink4Description=http://www.ti.com/lit/gpn/opa188?src-supplier=Mouser, ComponentLink4URL=http://www.ti.com/lit/gpn/opa188?src-supplier=Mouser, ComponentLink5Description=http://www.ti.com/lit/ds/symlink/opa188.pdf?src-supplier=Digi-Key, ComponentLink5URL=http://www.ti.com/lit/ds/symlink/opa188.pdf?src-supplier=Digi-Key, Contact Plating=Gold, DatasheetVersion=SBOS642A, Eco-Plan="Green (RoHS & no Sb/Br)", Gain Bandwidth Product=2MHz, GBW(Typ)(MHz)=2, Iq per channel(Max)(mA)=0.51, Lead Free="Lead Free", Manufacturer Part Number=OPA188AIDBVR, Mounting Technology="Surface Mount", Nominal Gain Bandwidth Product=2MHz, Number of Channels=1, Number of Circuits=1, Number of Elements=1, Number of Pins=5, Offset Drift(Typ)(uV/C)=0.03, PackageDescription="5-Pin Plastic Small Outline, Body 1.6 x 2.9 mm, Pitch 0.95 mm", PackageReference=DBV0005A, PackageVersion="4073253-4/K, 03/2006", Packaging="Tape and Reel", PartNumber=OPA188AIDBVR, Pricing 1="1=2.2115, 10=1.9133, 25=1.722, 100=1.5598, 250=1.5572, 500=1.3341 (USD)", Slew Rate=0.8V/µs, Slew Rate(Typ)(V/us)=0.8, Stock 1=838, SubFamily="Zero Drift Precision Amplifier", Supplier 1=Arrow, Supplier Part Number 1=OPA188AIDBVR, Unity Gain Bandwidth Product=2MHz
U41: "IC VREF SERIES 4.096V SOT23", Current - Supply=350µA, Manufacturer="Maxim Integrated", Operating Temperature="-40°C ~ 125°C (TA)", Package / Case=SOT-23-6, Supplier Part Number 1=MAX6070AAUT41+TCT-ND, Temperature Coefficient=6ppm/°C, Tolerance=±0.04%, Voltage - Input="4.3 V ~ 5.5 V", Voltage - Output (Min/Fixed)=4.096V, Category="Integrated Circuits (ICs)", ComponentLink1Description=https://datasheets.maximintegrated.com/en/ds/MAX6070-MAX6071.pdf, ComponentLink1URL=https://datasheets.maximintegrated.com/en/ds/MAX6070-MAX6071.pdf, Manufacturer Part Number=MAX6070AAUT41+T, Mounting Type="Surface Mount", Noise - 0.1Hz to 10Hz=9.6µVp-p, Noise - 10Hz to 10kHz=9µVrms, Output Type=Fixed, Packaging="Cut Tape (CT)", Part Status=Active, Pricing 1="1=3.41, 10=3.213, 25=2.5704, 50=2.4418, 100=2.2491, 250=2.13344, 500=2.05634 (USD)", Reference Type=Series, RoHS="RoHS Compliant", Stock 1=2623, Supplier 1=Digi-Key, Supplier Device Package=SOT-23-6
U42: library part CMP-0318-01541-2, "Quad 16-Bit Digital-to-Analog Converter with 5 ppm/degC On-Chip Reference, -40 to +105 degC, RU-14, Pb-Free, Tube", Case/Package=SOP, Generic Part Number=AD5666, Manufacturer="Analog Devices", Max Input Voltage=5.5V, Max Operating Temperature=105°C, Max Power Dissipation=12.5mW, Min Input Voltage=0uV, Min Operating Temperature=-40°C, Min Supply Voltage=2.7V, Nominal Supply Current=1.3mA, Package Quantity=1, Power Dissipation=8.8mW, # DAC Outputs=4, Code_JEDEC=MO-153-AB-1, ComponentLink1Description="Manufacturer URL", ComponentLink1URL=http://www.analog.com/en/index.html, ComponentLink2Description=Datasheet, ComponentLink2URL=http://www.analog.com/static/imported-files/data_sheets/AD5666.pdf, ComponentLink3Description="Package Specification", ComponentLink3URL=http://www.analog.com/static/imported-files/packages/36057385283879153717235186773RU14.pdf, ComponentLink4Description="Product URL", ComponentLink4URL=http://www.analog.com/en/digital-to-analog-converters/da-converters/ad5666/products/product.html, ComponentLink5Description=http://www.analog.com/media/en/technical-documentation/data-sheets/AD5666.pdf?src-supplier=Digi-Key, ComponentLink5URL=http://www.analog.com/media/en/technical-documentation/data-sheets/AD5666.pdf?src-supplier=Digi-Key, ComponentLink6Description=http://www.analog.com/static/imported-files/data_sheets/AD5666.pdf?src-supplier=Avnet, ComponentLink6URL=http://www.analog.com/static/imported-files/data_sheets/AD5666.pdf?src-supplier=Avnet, ComponentLink7Description=http://www.analog.com/static/imported-files/data_sheets/AD5666.pdf?src-supplier=Avnet+Europe, ComponentLink7URL=http://www.analog.com/static/imported-files/data_sheets/AD5666.pdf?src-supplier=Avnet+Europe, ComponentLink8Description=http://www.farnell.com/datasheets/1610743.pdf?src-supplier=Element14, ComponentLink8URL=http://www.farnell.com/datasheets/1610743.pdf?src-supplier=Element14, ComponentLink9Description=http://datasheet.iiic.cc/analog_devices/AD5666BRUZ-2.pdf?src-supplier=IIIC, ComponentLink9URL=http://datasheet.iiic.cc/analog_devices/AD5666BRUZ-2.pdf?src-supplier=IIIC, Contact Plating=Tin,Matte, Conversion Rate=95KS/s, DatasheetVersion=Rev.D, Differential Output=No, Height=1.05mm, Integral Nonlinearity (INL)=16LSB, Interface=SPI,Serial, Lead Free="Contains Lead", Length=5.1mm, Manufacturer Part Number=AD5666BRUZ-2, Max Output Voltage=5.5V, Max Supply Voltage=5.5V, Max V+=5.5V, Min Output Voltage=0uV, Mounting Technology="Surface Mount", Number of Bits=16, Number of Channels=4, Number of Converters=4, Number of D/A Converters=4, Number of DAC Channels=4, Number of Pins=14, Op Pwr Diss=12.5mW, Output Type=Voltage, PackageDescription="14-Lead Thin Shrink Small Outline Package [TSSOP]", PackageReference=RU-14, PackageVersion=Aug-2002, Packaging=Rail/Tube, Packing=Tube, PartNumber=AD5666BRUZ-2, Polarity=Unipolar, Pricing 1="1=18.32, 10=16.76, 25=15.54, 50=15.29, 100=13.33, 250=12.86, 500=12.13, 1000=12.09 (USD)", Radiation Hardening=No, REACH SVHC="No SVHC", Resolution=16b, Resolution (Bits)=16, RevisionNote="Component URL fixed", RoHS=Y, Sampling Rate=95KS/s, Settling Time=6µs, Single Supply=Yes, Slew Rate=1.5V/µs, Stock 1=85, Supplier 1=Arrow, Supplier Part Number 1=AD5666BRUZ-2, Termination=SMD/SMT, Width=4.5mm
U44: Base Part Number=LTC6994, Manufacturer="Linear Technology/Analog Devices", Manufacturer Part Number=LTC6994CS6-2#TRMPBF, Operating Temperature="0°C ~ 70°C", Package / Case="SOT-23-6 Thin, TSOT-23-6", Supplier Device Package=TSOT-23-6, Supplier Part Number 1=LTC6994CS6-2#TRMPBFCT-ND, Voltage - Supply="2.25 V ~ 5.5 V", Available Total Delays="1µs ~ 33.6s", Category="Integrated Circuits (ICs)", ComponentLink1Description=http://www.linear.com/docs/29725, ComponentLink1URL=http://www.linear.com/docs/29725, Delay to 1st Tap=-, Function=Programmable, Mounting Type="Surface Mount", Packaging="Cut Tape (CT)", Part Status=Active, Pricing 1="1=3.42, 25=3.0496, 100=1.9217, 250=1.76156 (USD)", RoHS="RoHS Compliant", Stock 1=1401, Supplier 1=Digi-Key
U47: "High-performance and DSP with DP-FPU, ARM Cortex-M7 MCU with 2MBytes Flash, 1MB RAM, 400 MHz CPU, Art Accelerator, L1...", Package="LQFP-144 STMicroelectronics", Digi-Key_Part_Number=497-17721-ND, Digi-Key_Purchase_URL=https://www.digikey.com/product-detail/en/stmicroelectronics/STM32H743ZIT6/497-17721-ND/7809238?utm_source=snapeda&utm_medium=aggregator&utm_campaign=symbol, MF=STMicroelectronics, MP=STM32H743ZIT6, SnapEDA_Link=https://www.snapeda.com/parts/STM32H743ZIT6/STMicroelectronics/view-part/?ref=snap
U49: library part CMP-0784-00380-1, "Ultralow Noise, LDO XFET Voltage Reference with Current Sink and Source, 5 V Output, 5.5 to 18 V Supply, Industrial, 8-pin SOP (RM-8), Tube", Case/Package=MSOP, Current Rating=3.75mA, Manufacturer="Analog Devices", Max Input Voltage=20V, Max Operating Temperature=125°C, Max Output Current=10mA, Max Output Voltage=5V, Min Input Voltage=5.5V, Min Operating Temperature=-40°C, Operating Temp Range="-40 to 125 degC", Package Quantity=50, Supplier Part Number 1=584-ADR445ARMZ, Temperature Coefficient=10ppm/°C, Tolerance=0.12%, Code_JEDEC=MO-187-AA, ComponentLink1Description="Manufacturer URL", ComponentLink1URL=http://www.analog.com/en/index.html, ComponentLink2Description=Datasheet, ComponentLink2URL=http://www.analog.com/static/imported-files/data_sheets/ADR440_441_443_444_445.pdf, ComponentLink3Description="Package Specification", ComponentLink3URL=http://www.analog.com/static/imported-files/packages/PKG_PDF/MSOP%28RM%29/RM_8.pdf, ComponentLink4Description="URL Link1", ComponentLink4URL="Product URL:http://www.analog.com/en/special-linear-functions/voltage-references/adr445/products/product.html", ComponentLink5Description=https://datasheet.ciiva.com/26887/adr445armz-26887930.pdf?src-supplier=IIIC, ComponentLink5URL=https://datasheet.ciiva.com/26887/adr445armz-26887930.pdf?src-supplier=IIIC, ComponentLink6Description=https://datasheet.ciiva.com/15373/adr440-441-443-444-445-279233-15373198.pdf?src-supplier=Mouser, ComponentLink6URL=https://datasheet.ciiva.com/15373/adr440-441-443-444-445-279233-15373198.pdf?src-supplier=Mouser, ComponentLink7Description=https://datasheet.ciiva.com/2008/adr440-441-443-444-445-2008927.pdf?src-supplier=Digi-Key, ComponentLink7URL=https://datasheet.ciiva.com/2008/adr440-441-443-444-445-2008927.pdf?src-supplier=Digi-Key, ComponentLink8Description=https://datasheet.ciiva.com/1172/1048061-1172739.pdf?src-supplier=Element14, ComponentLink8URL=https://datasheet.ciiva.com/1172/1048061-1172739.pdf?src-supplier=Element14, ComponentLink9Description=https://datasheet.ciiva.com/3235/adr440-441-443-444-445-3235286.pdf?src-supplier=Avnet, ComponentLink9URL=https://datasheet.ciiva.com/3235/adr440-441-443-444-445-3235286.pdf?src-supplier=Avnet, ComponentLink10Description=https://datasheet.ciiva.com/17219/adr440-441-443-444-445-17219117.pdf?src-supplier=Avnet+Europe, ComponentLink10URL=https://datasheet.ciiva.com/17219/adr440-441-443-444-445-17219117.pdf?src-supplier=Avnet+Europe, DatasheetVersion="Rev. E", Height=0.85mm, Lead Free="Contains Lead", Length=3mm, Manufacturer Part Number=ADR445ARMZ, Max V Supply (V)=18, Min Output Voltage=5V, Min V Supply (V)=5.5, Mounting Technology="Surface Mount", Nominal Supply Current=3.75mA, Number of Pins=8, Operating Supply Current=3.75mA, Output Current=10mA, Output Type=Fixed, Output Voltage=5V, PackageDescription="8-Pin Mini Small Outline Package, Body 3 x 3 mm, Pitch 0.65 mm", PackageReference=RM-8, PackageVersion=Aug-05, Packaging=Rail/Tube, Packing=Tube, PartNumber=ADR445ARMZ, Pricing 1="1=6.24000, 10=5.61000, 25=5.28000, 50=4.96000, 100=4.71000, 250=4.43000, 500=4.02000, 1000=3.44000, 2500=3.40000, 10000=3.44000 (USD)", Radiation Hardening=No, REACH SVHC="No SVHC", Reference Type=Series, Reference Voltage=5V, Ref Out TC (ppm/C)=2, RoHS=Yes, Stock 1=815, Supplier 1=Mouser, Vout=5V, Width=3mm
X1: library part MCD-00091, "Crystal 32.768kHz, 6pF, +-20ppm, 50Kohms max, SMD", Manufacturer=NDK, Manufacturer_Part_Number="NX3215SA 32.768KHz EXS00A-MU00525", BMS_Part_Number=9157034, ComponentLink1Description=Datasheet, ComponentLink1URL="http://tunmcdsvn.tun.st.com/Component_Datasheet_Library/Trunk/Crystal_Osc/NDK_Crystal-For-ST_NX3215SA 32.768KHz EXS00A-MU00525 (EXS10B-21238)", ECCN_EU=NEC, ECCN_US=EAR99, Internal_Part_Number=MCD-00091, Order_Code_Digikey=644-1386, Part_Type=Crystal_Osc, Provided_By=SUBCO, Status=Released

## Free pads (board coordinates)
  round 2 hole 2: 2(-16.7,-175) 2(79.6,-174.8)
  round 5 hole 3: ""(30.45,-91.43)

## Via types
v1: diameter 0.45, hole 0.2, Top Layer to Bottom Layer, tented both sides, 204 vias
v2: diameter 0.5, hole 0.2, Top Layer to Bottom Layer, 16 vias
v3: diameter 1.27, hole 0.711, Top Layer to Bottom Layer, 1 vias